# Altium PCB motor2.PcbDoc (continued)
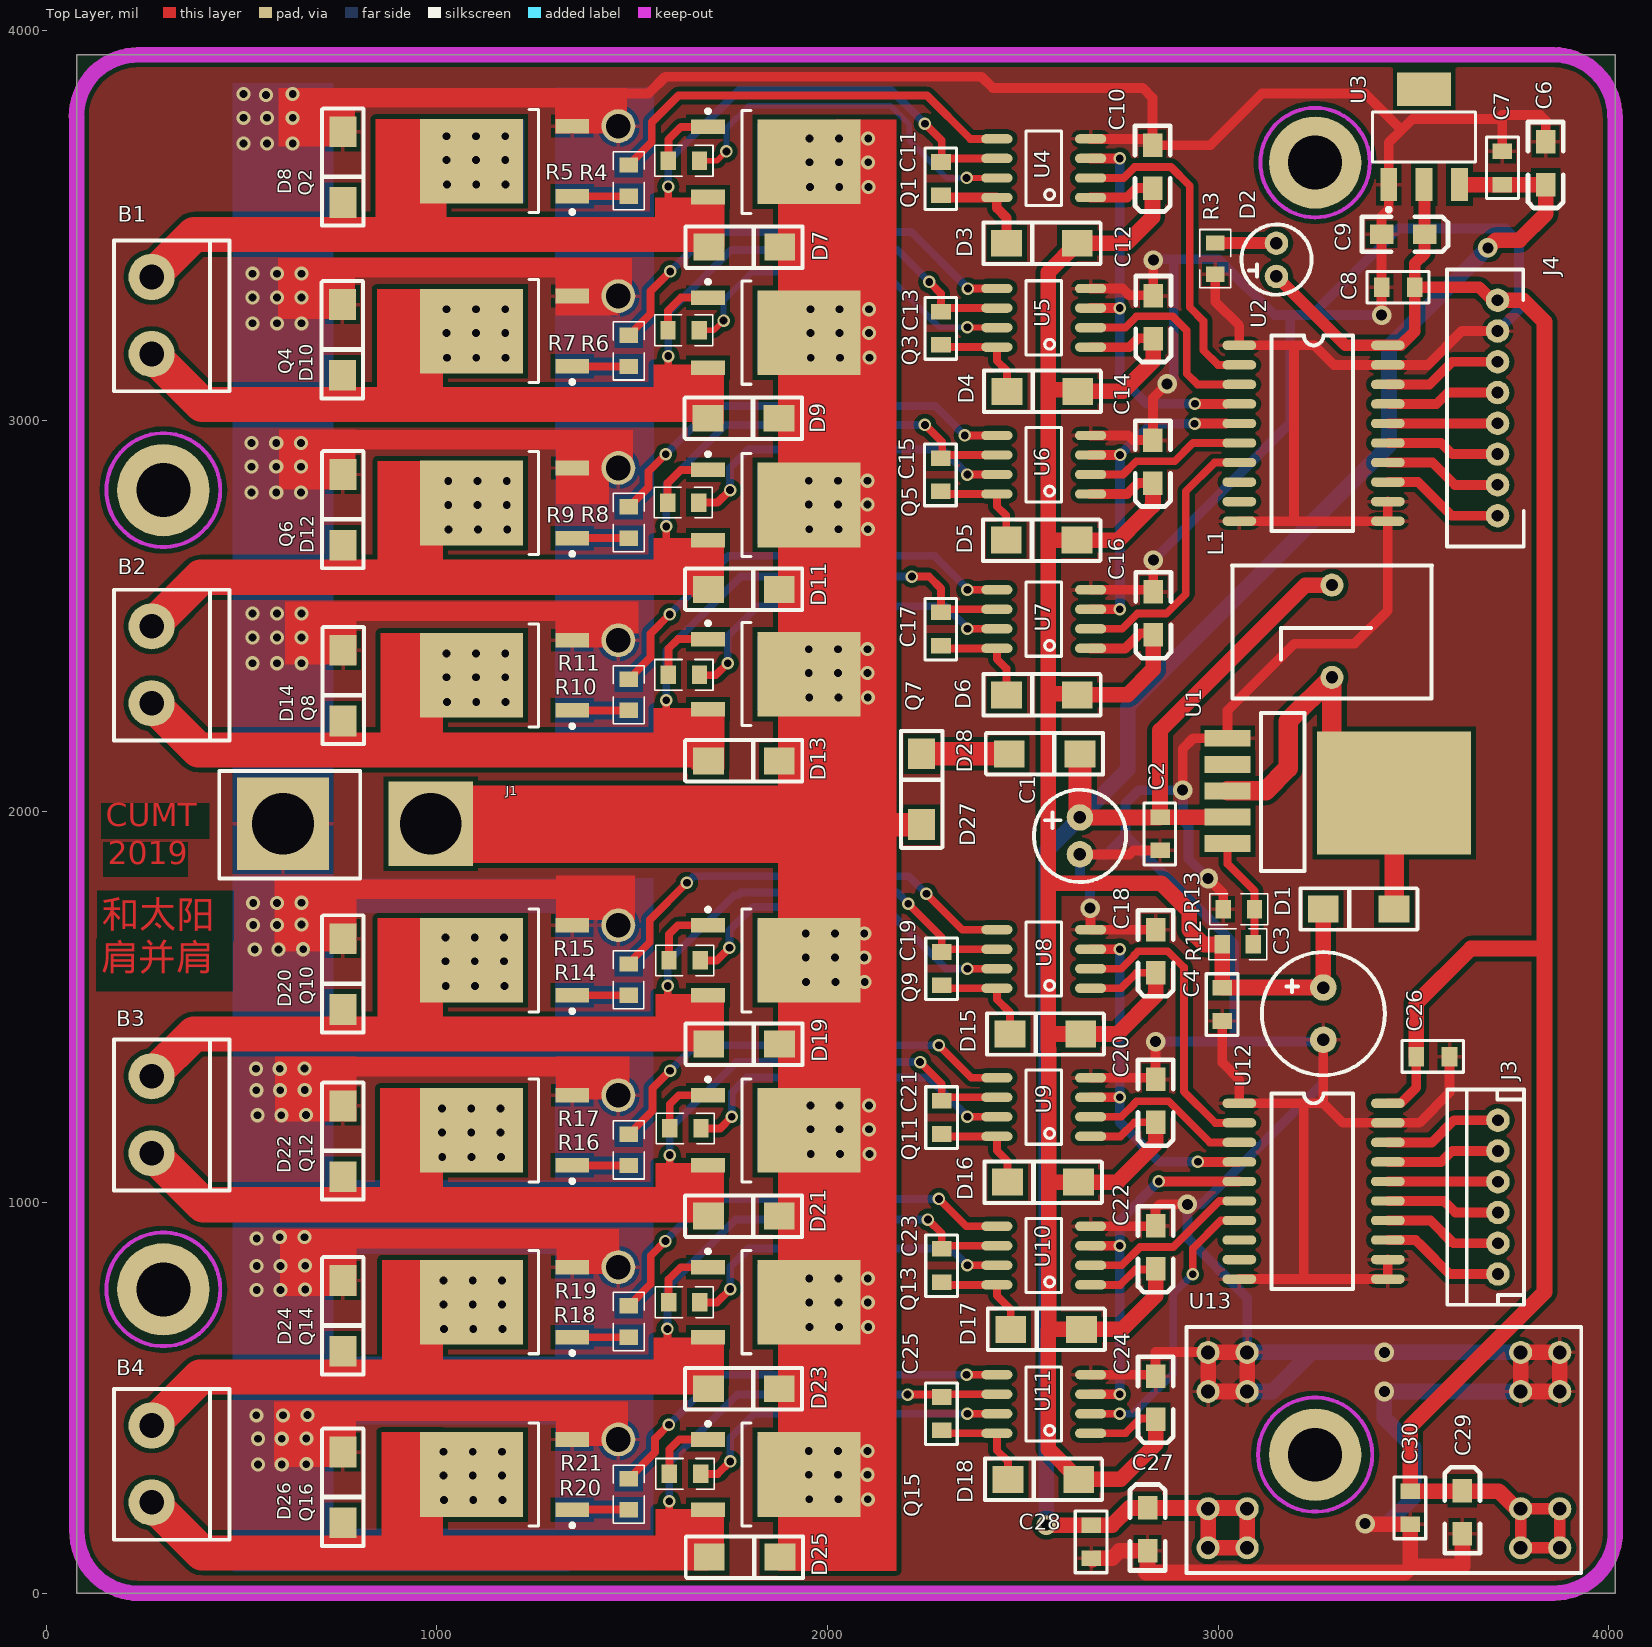
[diagram p0: Top Layer view]
## Nets (pads, with @x,y where several pads share a name; then routed paths per layer and width w, separated by ;. In a path a pad name is that pad's centre, name@x,y a point inside that pad or via, vN(x,y) a via of type N, cw(c..) or ccw(c..) an arc to the next point about the centre after c; other vN are vias at no path point)
5.0V: C8.1 C9.1 C26.2 C29.1 C30.1 D2.1 J4.8 U2.20 U3.2 U12.20 U13.3 | length 5766
  Top Layer w25: U12.20 3466.63,1253.63 3507,1294 C26.2
  Top Layer w30: D2.1 3325.37,3193.63 U2.20@3400.39,3193.63 ; U2.20@3410.63,3193.63 U2.20@3400.39,3193.63 ; U3.2 3528,3603.95 C9.1 3528,3428 3503,3403 C8.1 ; J4.8 3701,3308.92 3667.92,3342 C8.1 ; U2.20@3400.39,3193.63 3467.63,3193.63 3503,3229 C8.1 ; U13.3@3774,116 3874,116 3874,216 3774,216 U13.3@3774,116
  Top Layer w40: 3491,311 3491,339 ; C26.2 3507,1510 3647,1650 3830,1650 3835,1655 ; J4.8 3780.08,3308.92 3835,3254 3835,1655 ; U13.3@3774,216 3763,216 3718,261 C30.1 3491,339 ; 3491,339 3491,426 3835,770 3835,1655
12V: C3.1 C4.1 C10.1 C12.1 C14.1 C16.1 C18.1 C20.1 C22.1 C24.1 D1.2 D3.1 D4.1 D5.1 D6.1 D15.1 D16.1 D17.1 D18.1 R12.2 U4.1 U5.1 U6.1 U7.1 U8.1 U9.1 U10.1 U11.1 | length 8537.2
  Top Layer w20: U11.1 2738.51,409 2762.35,409 2800.35,447 C24.1@2839.72,447 ; U10.1 2749,789 2788,828 C22.1@2831.72,828 ; U9.1 2750,1169 2786,1205 C20.1 ; U8.1 2751,1548 2791,1588 C18.1
  Top Layer w25: U7.1 2762,2418 2801,2457 C16.1@2833.85,2457 ; U6.1 2767,2813 2795,2841 C14.1@2824,2841 ; U5.1 2773,3189 2796,3212 C12.1@2833.85,3212 ; U4.1 2767,3572 2791,3596 C10.1
  Top Layer w40: 2565.35,1817 2854,1817 2926,1745 2926,1698 2963.91,1660.09 R12.2@3002,1660.09 ; 2566.35,1431 D15.1 2742,1431 2839.72,1528.72 C18.1 ; 2567.35,675 D17.1 2754,675 2839.72,760.72 C22.1@2839.72,828 ; 2568.35,1052 D16.1 2742,1052 2839.72,1149.72 C20.1 C20.1@2839.72,1209 ; 2568.35,2695 D5.1 2744.35,2695 2801.35,2752 2832.85,2783.5 C14.1 ; C10.1 2831.85,3521.5 2765.35,3455 D3.1 2565.35,3381 2565.35,3080 ; C16.1@2833.85,2447 2833.85,2364.85 2768,2299 D6.1 2636.35,2302 2568.35,2302 2565.35,2305 ; C12.1@2833.85,3212 2833.85,3153.5 2756.35,3076 D4.1 2636.35,3080 2565.35,3080 ; C24.1@2839.72,447 2839.72,380.72 2750,291 D18.1 2565.35,368.65 2565.35,673 2566.35,674 2566.35,1393 2565.35,1394 2565.35,1785.35 2565.35,2305 ; C4.1@3010.34,1550.34 3010.75,1549.93 C3.1 ; C4.1@3010.34,1554.34 R12.2 ; C3.1@3267.6,1551.33 C3.1 ; D1.2 C3.1 ; 2565.35,2305 2565.35,3080
GND: C1.2 C2.2 C3.2 C4.2 C6.2 C7.2 C8.2 C9.2 C10.2 C12.2 C14.2 C16.2 C18.2 C20.2 C22.2 C24.2 C26.1 C27.2 C28.2 C29.2 C30.2 D8.1 D10.1 D12.1 D14.1 D20.1 D22.1 D24.1 D26.1 J1.2 J4.7 pad.5 pad.6 pad.7 pad.8 pad.9 pad.10 pad.11 pad.12 Q2.3 Q4.3 Q6.3 Q8.3 Q10.3 Q12.3 Q14.3 Q16.3 R3.1 R13.1 U1.1 U2.1 U2.10 U2.11 U2.12 U2.19 U3.1 U4.4 U5.4 U6.4 U7.4 U8.4 U9.4 U10.4 U11.4 U12.1 U12.10 U12.11 U12.12 U12.19 U13.2 U13.4 | length 24998.1
  Top Layer w25: D20.1@750.93,1666.57 D20.1@759,1674.65 ; 1466,3838 1541.68,3838 1584.68,3881 2394,3881 2423,3852 2807,3852 2831.85,3827.15 C10.2 ; C1.2 2772.76,1890.76 2783,1901 C2.2 ; U11.4 C24.2@2831,559 ; U10.4 2838.72,939 2839.72,938 C22.2 2839.72,984.72 2850,995 v3(2921,995) ; U9.4 2839.72,1319 v4(2839.72,1411.72) ; v3@2673.35,1751.65 U8.4 C18.2 ; U7.4 C16.2@2833.85,2568 ; U6.4 2736,2963 ; U5.4 2755,3339 2772,3322 C12.2@2833.85,3322 ; U4.4 2815.85,3722 C10.2 ; 2749,2963 2736,2963 ; C16.2@2833.85,2567 C16.2@2833.85,2568 ; v3(2833.85,2644) C16.2@2833.85,2568 ; C12.2 C12.2@2833.85,3322 ; v3(2833.85,3411.85) C12.2@2833.85,3322 ; C24.2 2839.72,617.28 2972.72,617.28 U13.2@2974,616 ; v3(2869,3095) 2832.85,3058.85 C14.2 2781.85,2951 2769.85,2963 2736,2963 ; v3(2909,2055) 2909,2161 2936,2188 U1.1 3024,2259 3195,2430 3349,2430 3434.04,2515.04 U2.11 ; v3(2974,1829) 3012.97,1790.03 R13.1 ; R3.1 2992.2,3305.8 3054.04,3243.96 U2.1 3194,3193.63 ; C4.2 3010.34,1357.66 3054.04,1313.96 U12.1 3219,1253.63 ; U12.10 3218,803.63 ; U2.10 3195,2743.63 ; 3269,1254 C3.2 ; U2.19@3400.39,3143.63 U2.19 ; v3(3418,3271) C8.2 C9.2 3418,3523 3436.45,3541.45 U3.1 3436.45,3712.45 3469,3745 ; U12.12 U12.11 3218,803.63 ; U2.12 U2.11 ; C26.1 3592,1281 3514.63,1203.63 U12.19 3319.37,1203.63 3269.37,1253.63 3219,1253.63 ; J4.7 3623.18,3230.18 3536.63,3143.63 U2.19 ; 3726,3783 3824,3783 3838,3769 C6.2 ; C7.2 3727,3782 3718,3773 3497,3773 3469,3745 ; C10.2 2905,3706 2980,3706 3112,3838 3376,3838 3469,3745 ; 3194,3193.63 3194,2744.63 3195,2743.63 ; 3194,3193.63 3246.37,3193.63 3296.37,3143.63 U2.19 ; 3195,2743.63 U2.11 ; 3218,803.63 3219,804.63 3219,1253.63
  Top Layer w40: 1313.86,3826.77 1346.58,3826.77 ; C28.2@2678,86 C28.2 2728,89 2747,108 C27.2 2819,56.68 2815,52.68 3478.68,52.68 3495,69 ; v3@3376,176 C30.2 3491,73 3495,69 ; C29.2 3625,69 3495,69 ; U13.2@2974,516 2974,616 3074,616 3074,516 U13.2@2974,516 ; U13.4@3774,516 3774,616 3874,616 3874,516 U13.4@3774,516
  Top Layer w50: D10.1 D10.1@759.77,3299.42 ; 759,1801 1346,1801 ; 759.35,465 1345,465 ; 759.35,1347 1346.58,1347 ; 759.77,3392 1347,3392 Q4.3@1347,3329 ; 760,907 1348,907 Q14.3@1348,845 ; 762,2952 1345.35,2952 Q6.3@1345.35,2891 ; 762.52,2513 1346,2513 ; 763.65,3827 1313.63,3827 1313.86,3826.77 ; Q16.3@1346.58,402 1346.58,463.42 ; Q8.3@1346.58,2448 1346.58,2512.42 ; Q2.3@1346.58,3766 1346.58,3826.77
  Bottom Layer w25: v3(2672,1753) 2672,1803.24 2646,1829.24 C1.2 2713.76,1890.76 2762.5,1939.5 ; v3(2833.85,2644) 3184,2994.15 3184,3271 ; v3(2833.85,3411.85) 2836,3414 2886,3414 ; v4(2839.72,1411.72) 3041,1411.72 ; v3(2869,3095) 2874,3095 2886,3107 2886,3414 ; v3(2974,1829) 2924,1879 2924,1962 2910,1976 2910,2055 v3(2909,2055) 2797,2055 2762.5,2020.5 2762.5,1939.5 ; U13.2@3074,616 3074,756 2921,909 v3(2921,995) 2957,995 3269,1307 C3.2 ; C3.2@3264.65,1411.72 3041,1411.72 ; v3(3418,3271) 3239.86,3271 ; J4.7 3769.42,3284.68 3769.42,3457.58 3734.5,3492.5 3461.36,3492.5 3239.86,3271 ; 2762.5,1939.5 3041,1661 3041,1411.72 ; 2886,3414 3001,3414 3144,3271 3184,3271 ; 3184,3271 3239.86,3271
  Bottom Layer w40: U13.2@3074,516 3139,516 3237,614 3237,616 ; U13.2@3074,616 3237,616 ; v3(3376,178) 3433,178 3500,245 3500,373 3425,448 v3(3425,516) v3@3433,516 ; v3@3427,510 v3@3433,516 ; U13.4@3774,516 v3@3433,516 ; U13.4@3774,616 v3(3425,616) 3237,616
  other v1: 542,329 603,329 666,330 542,395 603,395 666,396 538,455 606,455 669,456 539,776 600,776 663,777 539,837 600,837 663,838 539,908 598,911 661,911 541,1223 602,1223 665,1224 538,1287 599,1287 662,1288 537,1342 598,1342 661,1343 534,1647 595,1647 658,1648 530,1710 591,1710 654,1711 530,1766 591,1766 654,1767 528,2380 591,2380 654,2380 528,2446 591,2446 654,2446 528,2507 591,2507 654,2507 526,2817 589,2817 652,2817 526,2883 589,2883 652,2883 526,2944 589,2944 652,2944 528,3250 591,3250 654,3250 528,3316 591,3316 654,3316 528,3377 591,3377 654,3377 505,3710 565,3710 631,3710 505,3776 565,3776 631,3776 563,3834 505,3837 631,3837
IN1: J4.6 U2.18 | length 304.8
  Top Layer w25: U2.18 3540.63,3093.63 3598.44,3151.44 J4.6
IN2: J4.5 U2.17 | length 290
  Top Layer w25: U2.17@3437,3043.63 3558.93,3043.63 3588,3072.7 J4.5
IN3: J4.2 U2.14 | length 339.9
  Top Layer w15: U2.14@3400.39,2893.63 U2.14 U2.14@3435.72,2893.63
  Top Layer w25: U2.14 3548.37,2893.63 3605.52,2836.48 J4.2
IN4: J4.1 U2.13 | length 355.8
  Top Layer w15: U2.13@3400.39,2843.63 U2.13 U2.13@3439.72,2843.63
  Top Layer w25: U2.13 3511.37,2843.63 3597.26,2757.74 J4.1
IN5: J3.6 U12.18 | length 305.4
  Top Layer w25: U12.18 3546.63,1153.63 3603.44,1210.44 J3.6
IN6: J3.5 U12.17 | length 293.5
  Top Layer w25: U12.17 3570.63,1103.63 3598.7,1131.7 J3.5
IN7: J3.2 U12.14 | length 306
  Top Layer w25: U12.14 3543.37,953.63 3601.52,895.48 J3.2
IN8: J3.1 U12.13 | length 337.1
  Top Layer w25: U12.13 3505.37,903.63 3520,889 ; 3506.37,902.63 3520,889 ; J3.1 3592.26,816.74 3520,889
"MOTOR IN1": U2.2 U4.2 | length 794.5
  Top Layer w20: U4.2 2758,3622 2786,3650 2879,3650 2927,3602 2927,3291 2962,3256 2962,3181 2999.37,3143.63 U2.2@3020.39,3143.63
"MOTOR IN2": U2.3 U5.2 | length 496.1
  Top Layer w20: U5.2 2762,3239 2791,3268 2883,3268 2919.57,3231.43 2919.57,3120.78 2946.72,3093.63 U2.3@3020.39,3093.63
"MOTOR IN3": U2.6 U6.2 | length 380.4
  Top Layer w20: U6.2 2756,2863 2790,2897 2888.35,2897 2934.98,2943.63 U2.6@3020.39,2943.63
"MOTOR IN4": U2.7 U7.2 | length 677.5
  Top Layer w20: U7.2 2754,2468 2793,2507 2867.13,2507 2917,2556.87 2917,2820 2990.63,2893.63 U2.7@3020.39,2893.63
"MOTOR IN5": U8.2 U12.2 | length 768.5
  Top Layer w20: U8.2 2751.74,1598 2786,1632.26 2786,1634 2794.99,1642.99 2870.84,1642.99 2912,1601.84 2912,1284 2992.37,1203.63 U12.2
"MOTOR IN6": U9.2 U12.3 | length 441.3
  Top Layer w20: U9.2 2751.74,1219 2786,1253.26 2786,1254 2791,1259 2873.01,1259 2978.38,1153.63 U12.3
"MOTOR IN7": U10.2 U12.6 | length 448.9
  Top Layer w20: U10.2 2753,839 2800,886 2885,886 3002.63,1003.63 U12.6
"MOTOR IN8": U11.2 U12.7 | length 743.4
  Top Layer w20: U11.2 v2@2747,459 ; v2(2934.71,816) 2934.71,881.71 3006.63,953.63 U12.7
  Bottom Layer w20: v2@2747,459 v2@2747.5,459.5 ; v2(2748,459) 2782,459 2884.72,561.72 2884.72,766.01 v2(2934.71,816)
NetB1_1: B1.1 C11.1 D7.1 D8.2 Q1.3 Q2.2 U4.6 | length 2664.5
  Top Layer w20: 1592.35,3477.43 v2(1592.35,3600) ; v2(2249.43,3760.93) 2292.35,3718 C11.1@2292.35,3663 ; C11.1@2292.35,3672 U4.6
  Top Layer w90: B1.1 379,3477.43 551,3477.43 1592.35,3477.43 D7.1@1676.35,3477.43
  Bottom Layer w20: v2(1592.35,3600) 1592.35,3666 1773.35,3847 2163.35,3847 v2(2249.43,3760.93)
  other v1: 1026,3605 1101,3605 1176,3605 1025,3668 1100,3668 1175,3668 1025,3729 1100,3729 1175,3729
NetB1_2: B1.2 C13.1 D9.1 D10.2 Q3.3 Q4.2 U5.6 | length 2679.9
  Top Layer w20: 1581.35,3042 1592.35,3053 v2(1592.35,3166) ; v2(2260.35,3356) 2290.35,3326 C13.1 ; C13.1@2307,3289 U5.6
  Top Layer w90: B1.2 399.57,3042 1581.35,3042 1673.35,3042
  Bottom Layer w20: v2(1592.35,3166) 1592.35,3276.85 1753.5,3438 2178.35,3438 v2(2260.35,3356)
  other v1: 1026,3162 1101,3162 1176,3162 1025,3225 1100,3225 1175,3225 1025,3286 1100,3286 1175,3286
NetB2_1: B2.1 C15.1 D11.1 D12.2 Q5.3 Q6.2 U6.6 | length 2641.6
  Top Layer w20: 1587.35,2600 v2@1587.35,2722 ; v2(2249.35,2990) 2293.35,2946 C15.1@2293.35,2905 ; C15.1@2311.35,2913 2343.35,2913 U6.6
  Top Layer w90: B2.1 395.57,2600 630,2600 1587.35,2600 D11.1@1671.37,2600
  Bottom Layer w20: v2@1587.35,2722 1587.35,2838 1739.35,2990 v2(2249.35,2990)
  other v1: 1030,2722 1105,2722 1180,2722 1029,2785 1104,2785 1179,2785 1029,2846 1104,2846 1179,2846
  other v2: 1587.35,2730
NetB2_2: B2.2 C17.1 D13.1 D14.2 Q7.3 Q8.2 U7.6 | length 2716.4
  Top Layer w20: 1586.35,2158 1587.35,2159 v2(1587.35,2285) ; v2(2216,2601.65) 2260,2601.65 2290.35,2571.29 C17.1 ; C17.1@2311.35,2518 2335.35,2518 U7.6
  Top Layer w90: B2.2 389.57,2158 1586.35,2158 D13.1@1680.35,2158
  Bottom Layer w20: v2(1587.35,2285) 1587.35,2412 1759.53,2584.18 ; 1774.94,2599.58 1759.53,2584.18 ; v2@2213.94,2599.58 v2(2216,2601.65) 1777,2601.65 1759.53,2584.18
  other v1: 1026,2281 1101,2281 1176,2281 1025,2344 1100,2344 1175,2344 1025,2405 1100,2405 1175,2405
NetB3_1: B3.1 C19.1 D19.1 D20.2 Q9.3 Q10.2 U8.6 | length 2628.7
  Top Layer w20: 1591,1434 v2(1591,1554) ; v2(2206.45,1764.55) 2292.35,1678.65 C19.1 ; C19.1@2307,1648 2352,1648 U8.6
  Top Layer w90: B3.1 378.08,1431 1594,1431 D19.1@1686,1431
  Bottom Layer w20: v2(1591,1554) 1591,1615.9 1761.1,1786 1771.25,1786 1778.25,1793 2178,1793 v2(2206.45,1764.55)
  other v1: 1023,1554 1098,1554 1173,1554 1022,1617 1097,1617 1172,1617 1022,1678 1097,1678 1172,1678
NetB3_2: B3.2 C21.1 D21.1 D22.2 Q11.3 Q12.2 U9.6 | length 2643.2
  Top Layer w20: 1594,994 1596.31,996.31 v2(1596.31,1121) ; v2(2237,1359) 2292.35,1303.65 C21.1 ; C21.1@2301,1269 2357,1269 U9.6
  Top Layer w90: B3.2 402.07,994 1594,994 D21.1@1689,994
  Top Layer w100: Q12.2@1083,1178.79 Q12.2
  Bottom Layer w20: v2(1596.31,1121) 1596.31,1189.2 1766.1,1359 v2(2237,1359)
  other v1: 1014,1116 1089,1116 1164,1116 1013,1179 1088,1179 1163,1179 1013,1240 1088,1240 1163,1240
NetB4_1: B4.1 C23.1 D23.1 D24.2 Q13.3 Q14.2 U10.6 | length 2660.6
  Top Layer w20: v2(1590,676) 1590,554 1591,553 ; v2(2257,956) 2292.35,920.65 C23.1 ; C23.1@2301,889 U10.6
  Top Layer w90: B4.1 394.08,553 655,553 1591,553 D23.1@1689,553
  Bottom Layer w20: v2(1590,676) 1590,781.57 1764.43,956 v2(2257,956)
  other v1: 1018,676 1093,676 1168,676 1017,739 1092,739 1167,739 1017,800 1092,800 1167,800
NetB4_2: B4.2 C25.1 D25.1 D26.2 Q15.3 Q16.2 U11.6 | length 2609.1
  Top Layer w20: 1593,103 1595,105 v2(1595,235) ; v2(2205,508) 2286,508 C25.1 ; C25.1@2299,509 U11.6
  Top Layer w90: B4.2 399.07,103 1593,103 D25.1@1688,103
  Bottom Layer w20: v2(1595,235) 1595,333.87 1769.13,508 v2(2205,508)
  other v1: 1018,238 1093,238 1168,238 1017,301 1092,301 1167,301 1017,362 1092,362 1167,362
NetC11_2: C11.2 D3.2 U4.8 | length 256.7
  Top Layer w25: C11.2@2304,3572 U4.8 2433.35,3545 2458.25,3520.1 D3.2
NetC13_2: C13.2 D4.2 U5.8 | length 262.6
  Top Layer w15: C13.2@2286.35,3195 C13.2@2292.35,3189
  Top Layer w20: C13.2@2303,3189 U5.8 2433.35,3154.15 2459.25,3128.25 D4.2
NetC15_2: C15.2 D5.2 U6.8 | length 256.3
  Top Layer w20: C15.2@2305,2813 U6.8 2433.35,2782 2457.25,2758.1 D5.2
NetC17_2: C17.2 D6.2 U7.8 | length 241.3
  Top Layer w20: 2321.35,2418 U7.8 2433.35,2391 2458.25,2366.1 D6.2
NetC19_2: C19.2 D15.2 U8.8 | length 275.2
  Top Layer w20: C19.2 2300.35,1548 U8.8 2433.35,1519.65 2466.9,1486.1 D15.2
NetC21_2: C21.2 D16.2 U9.8 | length 263.4
  Top Layer w20: C21.2@2298.35,1169 U9.8 2433.35,1132.65 2460.9,1105.1 D16.2
NetC23_2: C23.2 D17.2 U10.8 | length 266.7
  Top Layer w20: C23.2@2295.35,789 U10.8 2433.35,761.65 2468.9,726.1 D17.2
NetC25_2: C25.2 D18.2 U11.8 | length 266.8
  Top Layer w20: C25.2@2296.35,409 U11.8 2433.35,365.65 2461.9,337.1 D18.2
NetD1_1: D1.1 L1.2 U1.3 | length 939.2
  Top Layer w50: U1.3@3024,2053.35 3121,2053.35 3179,2111.35 3179,2231.78 L1.2 U1.3@3291,2142 ; D1.1@3450.1,1768.39 U1.3@3450.1,2048
NetD2_2: D2.2 R3.2 | length 157.1
  Top Layer w30: R3.2 3148.31,3455.69 D2.2
NetD27_2: D27.2 D28.1 | length 224
  Top Layer w40: D27.2 D27.2@2241.1,2148
  Top Layer w60: D27.2@2241.1,2148 D28.1
NetQ1_1: Q1.1 R4.2 | length 152.2
  Top Layer w20: R4.2@1592.66,3683 1592.66,3720.31 1625.12,3752.76 Q1.1
NetQ2_1: Q2.1 R5.2 | length 144.6
  Top Layer w20: Q2.1 1346.65,3575.31 R5.2
NetQ3_1: Q3.1 R6.2 | length 166.4
  Top Layer w20: R6.2 1591.66,3282.31 1625.12,3315.76 Q3.1
NetQ4_1: Q4.1 R7.2 | length 145
  Top Layer w20: Q4.1 1347.51,3139.31 R7.2
NetQ5_1: Q5.1 R8.2 | length 167.4
  Top Layer w20: R8.2 1590.66,2841.31 1624.12,2874.76 Q5.1
NetQ6_1: Q6.1 R9.2 | length 144.6
  Top Layer w20: Q6.1 1346.65,2700.31 R9.2
NetQ7_1: Q7.1 R10.2 | length 178.7
  Top Layer w20: R10.2 1592.66,2417.31 1617.12,2441.76 Q7.1
NetQ8_1: Q8.1 R11.2 | length 144.6
  Top Layer w20: Q8.1 1346.65,2259.31 R11.2
NetQ9_1: Q9.1 R14.2 | length 176.4
  Top Layer w20: R14.2 1594.31,1686.31 1617.26,1709.26 Q9.1
NetQ10_1: Q10.1 R15.2 | length 143.6
  Top Layer w20: Q10.1@1347.16,1530.31 R15.2
NetQ11_1: Q11.1 R16.2 | length 169.4
  Top Layer w20: R16.2 1596.31,1251.31 1619.26,1274.26 Q11.1
NetQ12_1: Q12.1 R17.2 | length 144.1
  Top Layer w20: Q12.1@1347.01,1094.31 R17.2
NetQ13_1: Q13.1 R18.2 | length 172.7
  Top Layer w20: R18.2 1593.31,803.31 1624.26,834.26 Q13.1
NetQ14_1: Q14.1 R19.2 | length 144.8
  Top Layer w20: Q14.1 1490.57,654.73 R19.2
NetQ15_1: Q15.1 R20.2 | length 172.3
  Top Layer w20: R20.2 1595.31,368.31 1620.26,393.26 Q15.1
NetQ16_1: Q16.1 R21.2 | length 144.7
  Top Layer w20: Q16.1 1490.72,213.73 R21.2
NetR4_1: R4.1 U4.7 | length 955.9
  Top Layer w15: R4.1 1717.2,3666.2 v2(1741,3690) ; v2(2356,3622) U4.7 U4.7@2434.35,3623
  Bottom Layer w15: v2(1741,3690) 1741,3749 1799,3807 2161,3807 2209,3759 2209,3718 2305,3622 v2(2356,3622)
NetR5_1: R5.1 U4.5 | length 1091.6
  Top Layer w20: R5.1 1550.18,3714.06 1550.18,3764.82 1550.68,3765.32 1618.35,3833 2254.35,3833 2365.35,3722 U4.5
NetR6_1: R6.1 U5.7 | length 939.7
  Top Layer w15: R6.1 1709.2,3232.2 v2(1734.05,3257.05) ; v2@2358,3239 U5.7 2406.35,3239 U5.7@2405.35,3240
  Bottom Layer w15: v2(1734.05,3257.05) 1734.05,3309.05 1804.54,3379.54 2146.46,3379.54 2286,3240 v2(2358,3240)
NetR7_1: R7.1 U5.5 | length 1145.5
  Top Layer w20: R7.1 1547,3274.88 1547,3332.06 v2(1597.58,3382.64) ; v2(2359.35,3339) U5.5
  Bottom Layer w20: v2(1597.58,3382.64) 1698.94,3484 2214.35,3484 v2(2359.35,3339)
NetR8_1: R8.1 U6.7 | length 878.4
  Top Layer w20: R8.1 1718.56,2791.2 v2(1750.35,2823) ; v2@2361,2863 U6.7
  Bottom Layer w20: v2(1750.35,2823) 1750.35,2880.35 1797,2927 2294,2927 v2(2358,2863) ; v2@2359.5,2864.5 v2@2361,2863
NetR9_1: R9.1 U6.5 | length 1103.6
  Top Layer w20: R9.1 1542,2830.88 1542,2871 v2(1586,2915) ; v2(2351.35,2963) U6.5
  Bottom Layer w20: v2(1586,2915) 1709,3038 2276.35,3038 v2(2351.35,2963)
NetR10_1: R10.1 U7.7 | length 899.4
  Top Layer w20: R10.1 1673.59,2349 1713.35,2349 v2(1744.35,2380) ; v2@2360,2468 U7.7
  Bottom Layer w20: v2(1744.35,2380) 1744.35,2449.35 1821,2526 2302,2526 v2@2360,2468
  other v2: 2358,2468
NetR11_1: R11.1 U7.5 | length 1144.7
  Top Layer w20: R11.1 1547,2394.88 1547,2455.65 v2(1596.35,2505) ; v2@2360.35,2568 U7.5
  Bottom Layer w20: v2(1596.35,2505) 1746.35,2655 2273.35,2655 v2@2360.35,2568
  other v2: 2358,2568
NetR12_1: R12.1 R13.2 U1.5 | length 287.5
  Top Layer w20: U1.5 3024,1866 3092.69,1797.31 R13.2 3092.69,1663.38 R12.1
NetR14_1: R14.1 U8.7 | length 907.4
  Top Layer w20: R14.1 1716.2,1619.2 v2(1749,1652) ; v2@2360,1598 U8.7
  Bottom Layer w20: v2(1749,1652) 1749,1696.26 1808.74,1756 2145.98,1756 2303.98,1598 v2@2360,1598
  other v2: 2358,1598
NetR15_1: R15.1 U8.5 | length 1126.9
  Top Layer w20: R15.1 1490.8,1611.8 1545,1666 1545,1723 v2(1640,1818) ; v2(2253,1790) 2345,1698 U8.5
  Bottom Layer w20: v2(1640,1818) 1657,1835 2208,1835 v2(2253,1790)
NetR16_1: R16.1 U9.7 | length 888.1
  Top Layer w20: R16.1 1725.2,1189.2 v2(1755,1219) ; v2@2361,1219 U9.7
  Bottom Layer w20: v2(1755,1219) 1755,1281 1794,1320 2257,1320 v2(2358,1219) ; v2@2359,1220 v2@2360,1219
NetR17_1: R17.1 U9.5 | length 1104.5
  Top Layer w20: R17.1 1552.12,1235 1552.12,1292.12 v2(1597,1337) ; v2(2285,1402) 2368,1319 U9.5
  Bottom Layer w20: v2(1597,1337) 1662,1402 v2(2285,1402)
NetR18_1: R18.1 U10.7 | length 866.2
  Top Layer w20: R18.1 1717.2,744.2 v2(1751,778) ; v2@2362,839 U10.7
  Bottom Layer w20: v2(1751,778) 1751,835.26 1797.74,882 2315,882 v2(2358,839) ; v2@2359,840 v2@2360,839
NetR19_1: R19.1 U10.5 | length 1126.9
  Top Layer w20: R19.1 1547.5,791.38 1547.5,863.5 v2(1585,901) ; v2(2285,1009) 2355,939 U10.5
  Bottom Layer w20: v2(1585,901) 1693,1009 v2(2285,1009)
NetR20_1: R20.1 U11.7 | length 857.4
  Top Layer w20: R20.1 1719.2,305.2 v2(1751,337) ; v2@2360,459 U11.7
  Bottom Layer w20: v2(1751,337) 1751,397.39 1812.61,459 v2@2360,459
  other v2: 2358,459
NetR21_1: R21.1 U11.5 | length 1072.9
  Top Layer w20: R21.1 1558.5,360.38 1558.5,395.5 v2(1594,431) ; v2(2356,559) U11.5
  Bottom Layer w20: v2(1594,431) 1722,559 v2(2356,559)
PWM1: J4.4 U2.16 | length 278.1
  Top Layer w20: J4.4@3714.59,2993.63 J4.4
  Top Layer w25: U2.16@3437,2993.63 J4.4@3714.59,2993.63
PWM2: J4.3 U2.15 | length 292.6
  Top Layer w25: U2.15 3570.37,2943.63 3598.78,2915.22 J4.3
PWM3: J3.4 U12.16 | length 282.6
  Top Layer w25: U12.16 3715.25,1053.63 J3.4
  Top Layer w40: J3.4@3715.59,1052.63 J3.4
PWM4: J3.3 U12.15 | length 309.1
  Top Layer w25: U12.15 3577.37,1003.63 3589,992 ; 3578.37,1002.63 3589,992 ; J3.3 3606.78,974.22 3589,992
SD1: U2.4 U4.3 U5.3 | length 1008.2
  Top Layer w25: U5.3 v2@2747,3289 ; U4.3 v2(2748,3672) ; v2(2940.35,3044) 2940.72,3043.63 U2.4@3020.39,3043.63
  Bottom Layer w25: v2(2748,3672) v2(2748,3289) 2748,3113.35 2817.35,3044 v2(2940.35,3044)
SD3: U2.5 U6.3 U7.3 | length 850.4
  Top Layer w25: U7.3 v2(2748,2518) ; U6.3 v2(2748.65,2913) ; v2(2939.35,2993) 2939.98,2993.63 U2.5@3020.39,2993.63
  Bottom Layer w25: v2(2748,2518) 2748.65,2518.65 v2(2748.65,2913) 2828.65,2993 v2(2939.35,2993)
SD5: U8.3 U9.3 U12.4 | length 940.9
  Top Layer w20: v2(2948,1104) v2@2948.37,1103.63
  Top Layer w25: U9.3 v2(2748,1269) ; U8.3 v2(2748,1648) ; v2@2948.37,1103.63 U12.4
  Bottom Layer w25: v2(2748,1648) v2(2748,1269) 2748,1204 2848,1104 v2(2948,1104)
SD7: U10.3 U11.3 U12.5 | length 940.6
  Top Layer w25: U11.3 v2(2748,509) ; U10.3 v2@2747,889 ; v2(2847.63,1053.63) U12.5
  Bottom Layer w25: v2(2748,509) v2(2748,889) 2748,954 v2(2847.63,1053.63)
VDD: D7.2 D9.2 D11.2 D13.2 D19.2 D21.2 D23.2 D25.2 D27.1 J1.1 Q1.2 Q3.2 Q5.2 Q7.2 Q9.2 Q11.2 Q13.2 Q15.2 | length 3542.5
  Top Layer w60: 2056,1967 D27.1
  Top Layer w157.48: Q15.2 Q13.2 Q11.2 Q9.2 1952,1964 ; 1952,1966 Q7.2 Q5.2 Q3.2 Q1.2
  other v1: 1953,240 2028,240 2103,240 1952,303 2027,303 2102,303 1952,364 2027,364 2102,364 1954,681 2029,681 2104,681 1953,744 2028,744 2103,744 1953,805 2028,805 2103,805 1957,1124 2032,1124 2107,1124 1956,1187 2031,1187 2106,1187 1956,1248 2031,1248 2106,1248 1945,1564 2020,1564 2095,1564 1944,1627 2019,1627 2094,1627 1944,1688 2019,1688 2094,1688 1953,2292 2028,2292 2103,2292 1952,2355 2027,2355 2102,2355 1952,2416 2027,2416 2102,2416 1953,2723 2028,2723 2103,2723 1952,2786 2027,2786 2102,2786 1952,2847 2027,2847 2102,2847 1957,3162 2032,3162 2107,3162 1956,3225 2031,3225 2106,3225 1956,3286 2031,3286 2106,3286 1955,3599 2030,3599 2105,3599 1954,3662 2029,3662 2104,3662 1954,3723 2029,3723 2104,3723
VDD_12V: C1.1 C2.1 C6.1 C7.1 C27.1 C28.1 D28.2 L1.1 U1.4 U3.3 U13.1 | length 6406.8
  Top Layer w40: v3(2560,174) C28.1 2728,174 2772,218 C27.1 3072,218 3074,216 3074,116 2974,116 U13.1@2974,216 ; C1.1@2646.1,1985.35 C1.1 2850.24,1985.24 C2.1 ; U1.4 C2.1 ; L1.1 3223,2580 2851,2208 C2.1 ; U3.3 C6.1 C6.1 3838,3530 3771,3463 3710,3463 v3(3690,3443)
  Top Layer w60: C1.1@2646.1,1985.35 D28.2
  Bottom Layer w40: v3(2560,174) 2560,1899.24 C1.1 2768,2107.24 2768,2269 3437,2938 3437,3190 v3(3690,3443)
pads on no net: U1.2 U2.8 U2.9 U3.4 U12.8 U12.9

## Polygon pours and split planes (outlines as drawn)
GND on Bottom Layer "Top Layer-No Net" (solid, remove dead copper, pour order 1012): 79,3937 4016,3937 4016,0 79,0
GND on Top Layer "GND_L01_P1013" (solid, remove dead copper, pour order 1013): 79,3937 4016,3937 4016,0 79,0

## Keep-outs
Keep-Out Layer:
  circle w10: c300,2823 r145.67
  circle w10: c300,777.5 r145.67
  circle w10: c3248.03,3661.42 r140.13
  circle w10: c3248.03,354.33 r146.1
  lines w39.37: 77.52,3779.53 cw(c235,3779.53) 235,3937.01 ; 78.74,157.48 78.74,3779.53 ; 78.99,157 ccw(c236.47,157) 236.47,-0.48 ; 236.22,0 3858.27,0 ; 236.22,3937.01 3858.27,3937.01 ; 3857.53,3937.48 cw(c3857.53,3780) 4015.01,3780 ; 3859,-0.01 ccw(c3859,157.47) 4016.48,157.47 ; 4015.75,157.48 4015.75,3779.53

## Other copper
Top Layer:
  rectangle net VDD: 2020,57 2176,3771
  rectangle net GND: 595,3703 791,3852
  rectangle net GND: 594,3261 790,3417
  rectangle net GND: 596,2825 792,2978
  rectangle net GND: 611,2377 794,2538
  rectangle net GND: 583,323 793,490
  rectangle net GND: 598,761 794,932
  rectangle net GND: 586,1207 794,1373
  rectangle net GND: 585,1642 795,1826
  rectangle net GND: 1306,817 1466,932
  rectangle net GND: 1305,1263 1493,1373
  rectangle net GND: 1384,2420 1465,2461
  rectangle net GND: 1304,2456 1516,2538
  rectangle net GND: 1408,2886 1502,2977
  rectangle net GND: 1305,2786.99 1440.65,2977
  rectangle net GND: 1431,3321 1500,3417
  rectangle net GND: 1304,3270 1462,3417
  rectangle net GND: 1303,3736 1487,3852
  rectangle net NetB4_2: 858,130 1015.87,412
  rectangle net NetB4_1: 860,578 1015.87,853
  rectangle net NetB3_2: 855,1013 1015.87,1293
  rectangle net NetB3_1: 848,1455 1015.87,1728
  rectangle net VDD: 1873,57 2084,406
  rectangle net NetB4_2: 1653,80 1735,196
  rectangle net NetB4_1: 1654,532 1735,641
  rectangle net NetB3_2: 1654,965 1735,1079
  rectangle net NetB3_1: 1656,1427 1735,1513
  rectangle net NetB2_1: 848.35,2625 1015.87,2898
  rectangle net NetB1_2: 846.35,3061 1015.87,3338
  rectangle net NetB1_1: 843.35,3510 1025,3773
  rectangle net NetB2_2: 1652.35,2108 1736.35,2245
  rectangle net NetB2_1: 1652.35,2550 1735.35,2679
  rectangle net NetB1_2: 1653.35,2992 1735.35,3120
  rectangle net NetB1_1: 1652.35,3445 1736.35,3570
  rectangle net NetB2_2: 856,2181 1015.87,2457
  rectangle net GND: 1305,376 1489,491
  rectangle net GND: 1305,1723 1507,1837
  rectangle net NetB1_1: 1558,3509.46 1684,3572
  rectangle net NetB1_2: 1555,3072.46 1670,3145
  rectangle net NetB2_1: 1554,2631.46 1665,2700
  rectangle net NetB2_2: 1555,2198.46 1674,2265
  rectangle net NetB3_1: 1560,1465.95 1671,1534
  rectangle net NetB3_2: 1560,1030.95 1662,1101
  rectangle net NetB4_1: 1555,590.95 1680,654
  rectangle net NetB4_2: 1560,133 1698,215
  rectangle net VDD: 893,1869 1919,2067
  text "CUMT" at 153,1944 h100
  text "2019" at 158,1846 h100
  text "和太阳" at 143,1680 h120
  text "肩并肩" at 140,1571 h120
Bottom Layer:
  rectangle net NetB4_2: 937.13,199 1215,409
  rectangle net NetB4_1: 937.13,639 1217,847
  rectangle net NetB3_2: 937.13,1079 1215,1290
  rectangle net NetB3_1: 937.13,1513 1218,1722
  rectangle net NetB2_2: 937.13,2245 1217,2452
  rectangle net NetB2_1: 937.13,2683 1219,2896
  rectangle net NetB1_2: 937.13,3124 1218,3337
  rectangle net NetB1_1: 937.13,3558 1225,3772
  rectangle net VDD: 1820,202 2161,404
  rectangle net VDD: 1820,641 2156,843
  rectangle net VDD: 1820,1079 2159,1287.41
  rectangle net VDD: 1820,1518 2139,1724.15
  rectangle net VDD: 1820,2256 2161,2451
  rectangle net VDD: 1820,2684 2168,2885
  rectangle net VDD: 1820,3125 2155,3330
  rectangle net VDD: 1820,3561 2160,3764
  rectangle net GND: 1303,2117 1556,3853
  rectangle net GND: 1303,58 1554,1830
  rectangle net GND: 477,55 736,3865
  rectangle net GND: 678,868 1348,1057
  rectangle net GND: 686,432 1346.58,606
  rectangle net GND: 666,55 1340,166
  rectangle net GND: 719,1328 1334,1475
  rectangle net GND: 699,1741 1338,1829

## Silkscreen, mask and mechanical layers (free items; w line width, h text height)
Bottom Paste:
  rectangle: 1087,1878 2034,2060
Top Solder:
  rectangle: 597,3690 791,3862
  rectangle: 567,3285 790,3417
  rectangle: 564,2413 794,2538
  rectangle: 574,1201 794,1372
  rectangle: 577,305 793,490
  rectangle: 1303,3705 1513,3853
  rectangle: 1304,3270 1513,3417
  rectangle: 1305,2831 1512,2977
  rectangle: 1304,2391 1514,2538
  rectangle: 1305,1661 1513,1832
  rectangle: 1305,1225 1514,1371
  rectangle: 1306,785 1512,932
  rectangle: 1305,345 1514,491
  rectangle: 1568,2145 1733,2255
  rectangle: 1657,117 1732,193
  rectangle: 1657,541 1731,641
  rectangle: 1657,996 1733,1079
  rectangle: 1659,1427 1732,1513
  rectangle: 1555,3020 1732,3134
  rectangle: 1562,2588 1732,2694
  rectangle: 1567,3460 1733,3563
  rectangle: 865,138 1008,406
  rectangle: 866,583 1009,847
  rectangle: 861,1030.95 1009,1286
  rectangle: 858,1465.95 1011,1722
  rectangle: 857,2628 1008,2892
  rectangle: 854,3076.46 1006,3332
  rectangle: 850,3511.46 1015.87,3766
  rectangle: 573,754 794,932
  rectangle: 585,1642 795,1826
  rectangle: 563,2853 792,2978
  rectangle: 2014,191 2169,3770
  lines w10: 602,332 606,328 ; 641,1229 644,1232 ; 759.35,2863 762,2865.65
  lines w50: 759,1801 1346,1801 ; 759.35,465 1345,465 ; 759.35,1347 1346.58,1347 ; 759.77,3392 1347,3392 ; 760,907 1348,907 ; 762,2952 1345.35,2952 ; 762.52,2513 1346,2513 ; 763.65,3827 1313.63,3827
  lines w80: 270,232.07 399.07,103 1671,103 ; 270,1322.92 378.08,1431 1663,1431 ; 270,2277.57 388.57,2159 ; 273.29,2477.71 395.57,2600 1657,2600 ; 275.54,1120.54 402.07,994 1666,994 ; 276,3375 378.43,3477.43 1676.35,3477.43 ; 276.2,3165.38 399.57,3042 1663,3042 ; 277.04,435.96 394.08,553 1093,553 1668,553 ; 392,2159 1661,2159
Bottom Solder:
  rectangle: 865,2195.46 1008,2449
  rectangle: 1820,202 2156,404
  rectangle: 1820,641 2154,843
  rectangle: 1820,1079 2152,1287.41
  rectangle: 1820,1518 2135,1724.15
  rectangle: 1820,2256 2146,2451
  rectangle: 1820,2684 2157,2885
  rectangle: 1820,3125 2145,3330
  rectangle: 1820,3561 2142,3764
  rectangle: 937.13,199 1215,409
  rectangle: 937.13,639 1217,847
  rectangle: 937.13,1079 1215,1290
  rectangle: 937.13,1513 1218,1722
  rectangle: 937.13,2245 1217,2452
  rectangle: 937.13,2683 1219,2896
  rectangle: 937.13,3124 1218,3337
  rectangle: 937.13,3558 1225,3771
  rectangle: 609,876.39 1457,1051.22
  rectangle: 1344,2397 1542,3852
  rectangle: 1351,327.48 1544,1842
  rectangle: 502,876.39 726,3088
  rectangle: 635,2943.54 1476,3088